# Altium PCB CoinCraftA1.PcbDoc (part 1 of 7) (continued)
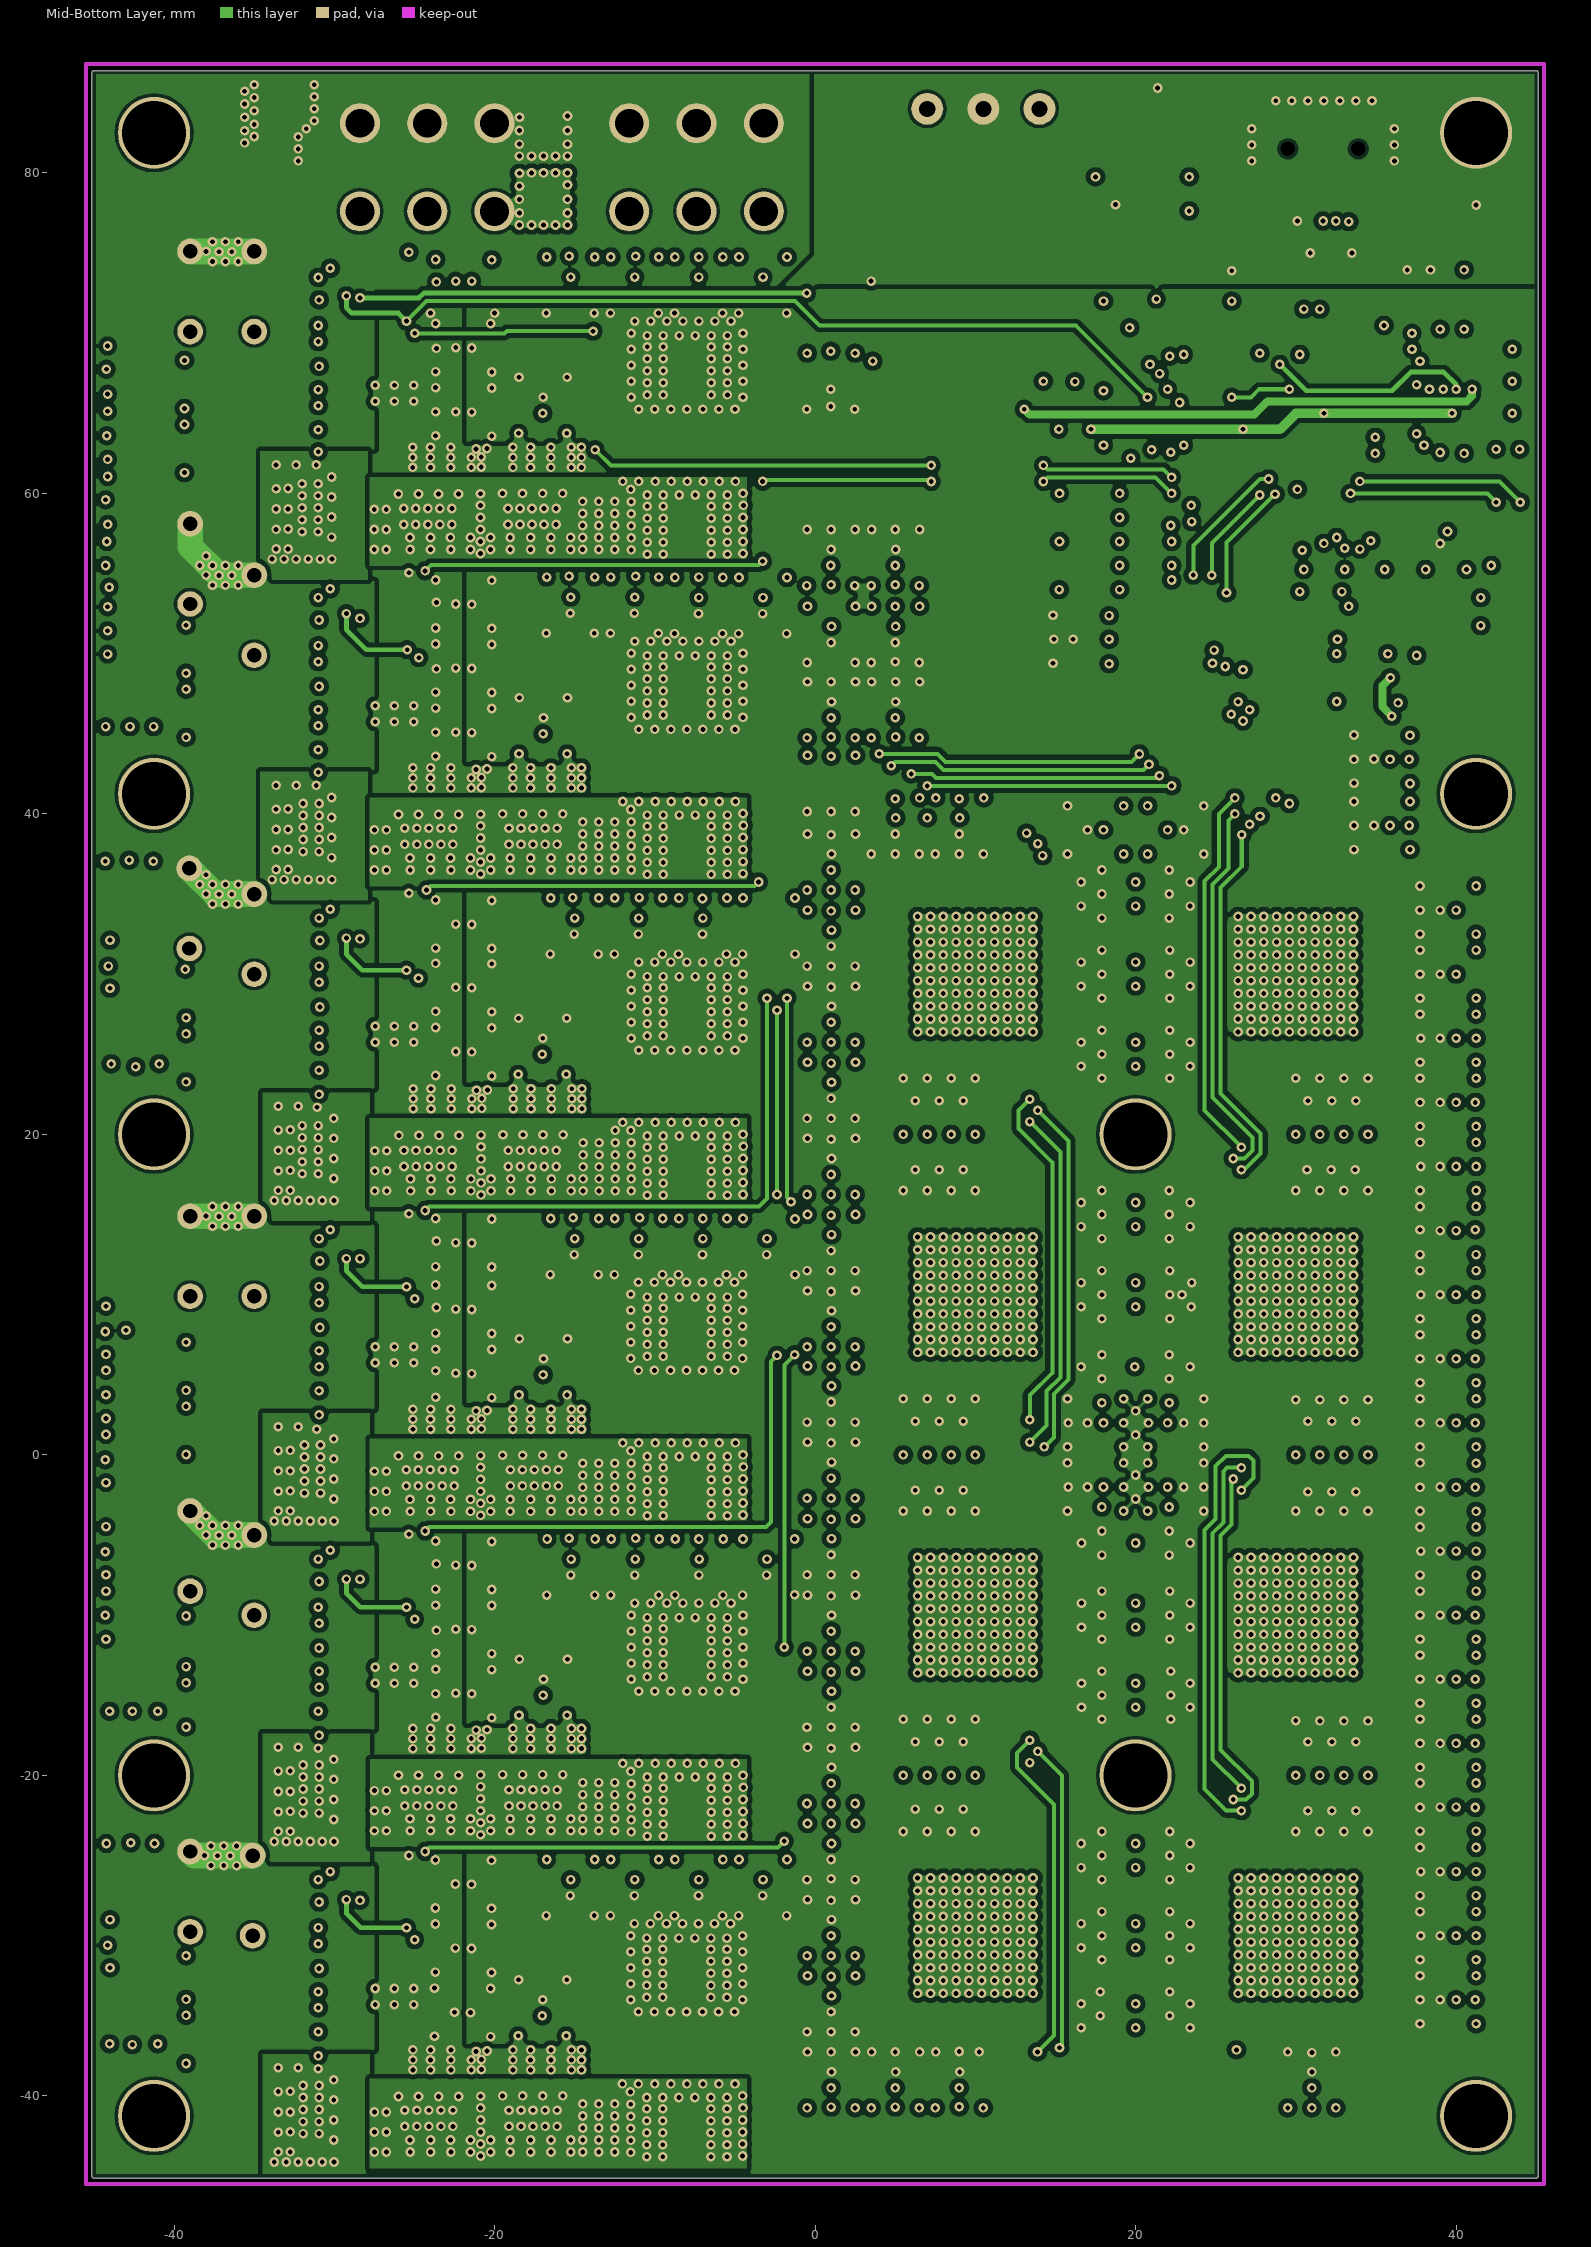
[diagram p3: Mid-Bottom Layer]

## Layer stack, top to bottom
Top Layer: signal copper 0.035
Dielectric: prepreg 0.32, FR-4, Dk 4.8
Mid-Top Layer: signal copper 0.07
Dielectric: core 0.32, FR-4, Dk 4.8
Mid-Bottom Layer: signal copper 0.07
Dielectric: prepreg 0.32, FR-4, Dk 4.8
Bottom Layer: signal copper 0.07

## Board outline
-45.125,-45 ccw(c-45,-45) -45,-45.125 45,-45.125 ccw(c45,-45) 45.125,-45 45.125,86.25 ccw(c45,86.25) 45,86.375 -45,86.375 ccw(c-45,86.25) -45.125,86.25

## Design rules (kind name [scope] priority, off if disabled: settings)
Clearance ClearancePad [(InPadClass('All Pads'))] p1: gap=0.2
Clearance "Clearance Bord Outline" [(OnLayer('Keep-Out Layer'))] p2: gap=0.5
Clearance "Clearance Polygon" [InPolygon] p3: gap=0.3
Clearance "Clearance Component Footprint" [(InComponentClass('All Components'))] p4: gap=0.2
Clearance [All] p5: gap=0.2
ComponentClearance [All] p1: gap=0.25 collisioncheckmode=3 verticalgap=0.25 showdistances=FALSE
DiffPairsRouting [All] p1: maxlimit=0.25 minlimit=0.25 mostfreqgap=0.25 maxuncoupledlength=12.7
HoleToHoleClearance [All] p1: gap=0.15 allowstackedmicrovias=TRUE
MinimumSolderMaskSliver [All] p1: minsoldermaskwidth=0.1
PolygonConnect "PolygonConnect Relief Connect" [(IsNamedPolygon('T 1.2V AVALON')) or (IsNamedPolygon('ZZZT GND MCU HALF'))] p1 off: connectstyle=Relief reliefconductorwidth=0.25 reliefentries=4 polygonreliefangle="90 Angle" airgapwidth=0.254
PolygonConnect [All] p2: connectstyle=Direct reliefconductorwidth=0.254 reliefentries=4 polygonreliefangle="90 Angle" airgapwidth=0.254
RoutingVias [All] p1: holewidth=0.3 width=0.6 viastyle="Through Hole" minholewidth=0.3 minwidth=0.6 maxholewidth=0.5 maxwidth=1.3
SilkToSolderMaskClearance SilkscreenOverComponentPads [IsPad] p1: minsilkscreentomaskgap=0.254 clearancetoexposedcopper=TRUE
SolderMaskExpansion [All] p1: expansion=0.1
Width [All] p1: maxlimit=2 minlimit=0.2 preferedwidth=0.25
23 further rules are at their usual default settings.

## Components (designator, comment, footprint, x,y, rotation, side; value= is the part's Value field where it differs from the comment)
C1 "220uF" SMD_1210_CAPC3225X279N 1,-24.75 r90 top
C1-1MO "(OPT)22uF/6.3V" SMD_0805_CAPC2012X145N 22.5,40 r180 top
C1-1SO "(OPT) 470nF" SMD_0603_CAPC1608X80N 35.376,38.275 r0 top
C1-2MO "(OPT)22uF/6.3V" SMD_0805_CAPC2012X145N 39.5,19 r0 top
C1-2S "470nF" SMD_0603_CAPC1608X80N 30,18.3 r90 top
C1-2SO "(OPT) 470nF" SMD_0603_CAPC1608X80N 39.5,19 r0 top
C1-3MO "(OPT)22uF/6.3V" SMD_0805_CAPC2012X145N 39.5,-1 r0 top
C1-3S "470nF" SMD_0603_CAPC1608X80N 30,-1.7 r90 top
C1-3SO "(OPT) 470nF" SMD_0603_CAPC1608X80N 39.5,-1 r0 top
C1-4MO "(OPT)22uF/6.3V" SMD_0805_CAPC2012X145N 39.5,-20.975 r0 top
C1-4S "470nF" SMD_0603_CAPC1608X80N 30,-21.7 r90 top
C1-4SO "(OPT) 470nF" SMD_0603_CAPC1608X80N 39.5,-20.975 r180 top
C1-5 "10uF/16V" SMD_0805_CAPC2012X145N -42.4,50.45 r180 top
C1-5MO "(OPT)22uF/6.3V" SMD_0805_CAPC2012X145N -0.001,-20 r270 top
C1-5S "470nF" SMD_0603_CAPC1608X80N 5.5,-21.7 r90 top
C1-5SO "(OPT) 470nF" SMD_0603_CAPC1608X80N 0,-20 r270 top
C1-6 "10uF/16V" SMD_0805_CAPC2012X145N -42.4,60.554 r180 top
C1-6MO "(OPT)22uF/6.3V" SMD_0805_CAPC2012X145N 0,-0.95 r270 top
C1-6S "470nF" SMD_0603_CAPC1608X80N 5.5,-1.7 r90 top
C1-6SO "(OPT) 470nF" SMD_0603_CAPC1608X80N 0,-0.95 r270 top
C1-7MO "(OPT)22uF/6.3V" SMD_0805_CAPC2012X145N 0,18 r270 top
C1-7S "470nF" SMD_0603_CAPC1608X80N 5.5,18.3 r90 top
C1-7SO "(OPT) 470nF" SMD_0603_CAPC1608X80N 0,18 r270 top
C1-8MO "(OPT)22uF/6.3V" SMD_0805_CAPC2012X145N 0,41.9 r90 top
C1-8S "470nF" SMD_0603_CAPC1608X80N 18.3,35.75 r0 top
C1-8SO "(OPT) 470nF" SMD_0603_CAPC1608X80N 0,41.9 r90 top
C1_0 "(OPT)22uF/6.3V" SMD_0805_CAPC2012X145N 35.377,44.4 r0 top
C1_1 "10uF/16V" SMD_0805_CAPC2012X145N -28.25,-26 r0 top
C1_1S "470nF" SMD_0603_CAPC1608X80N 30,21.7 r270 top
C1_2 "10uF/16V" SMD_0805_CAPC2012X145N -28.25,-6 r0 top
C1_3 "10uF/16V" SMD_0805_CAPC2012X145N -28.25,14 r0 top
C1_4 "10uF/16V" SMD_0805_CAPC2012X145N -28.25,34 r0 top
C1_5 "10uF/16V" SMD_0805_CAPC2012X145N -28.25,54 r0 top
C1_6 "10uF/16V" SMD_0805_CAPC2012X145N -28.25,74.1 r0 top
C2-1MO "(OPT)22uF/6.3V" SMD_0805_CAPC2012X145N 22.5,38.001 r180 top
C2-1S "470nF" SMD_0603_CAPC1608X80N 31.5,21.7 r270 top
C2-1SO "(OPT) 470nF" SMD_0603_CAPC1608X80N 35.377,40.275 r0 top
C2-2MO "(OPT)22uF/6.3V" SMD_0805_CAPC2012X145N 39.5,17 r0 top
C2-2S "470nF" SMD_0603_CAPC1608X80N 31.5,18.3 r90 top
C2-2SO "(OPT) 470nF" SMD_0603_CAPC1608X80N 39.5,17 r0 top
C2-3MO "(OPT)22uF/6.3V" SMD_0805_CAPC2012X145N 39.5,-3 r0 top
C2-3S "470nF" SMD_0603_CAPC1608X80N 31.5,-1.7 r90 top
C2-3SO "(OPT) 470nF" SMD_0603_CAPC1608X80N 39.5,-3 r0 top
C2-4MO "(OPT)22uF/6.3V" SMD_0805_CAPC2012X145N 39.5,-22.975 r0 top
C2-4S "470nF" SMD_0603_CAPC1608X80N 31.5,-21.7 r90 top
C2-4SO "(OPT) 470nF" SMD_0603_CAPC1608X80N 39.5,-22.975 r180 top
C2-5 "10uF/16V" SMD_0805_CAPC2012X145N -32.8,53 r0 top
C2-5MO "(OPT)22uF/6.3V" SMD_0805_CAPC2012X145N 1.999,-20 r270 top
C2-5S "470nF" SMD_0603_CAPC1608X80N 7,-21.7 r90 top
C2-5SO "(OPT) 470nF" SMD_0603_CAPC1608X80N 1.999,-20 r270 top
C2-6 "10uF/16V" SMD_0805_CAPC2012X145N -42.4,58.554 r180 top
C2-6MO "(OPT)22uF/6.3V" SMD_0805_CAPC2012X145N 2,-0.95 r270 top
C2-6S "470nF" SMD_0603_CAPC1608X80N 6.999,-1.7 r90 top
C2-6SO "(OPT) 470nF" SMD_0603_CAPC1608X80N 2,-1 r270 top
C2-7MO "(OPT)22uF/6.3V" SMD_0805_CAPC2012X145N 2,18 r270 top
C2-7S "470nF" SMD_0603_CAPC1608X80N 7,18.3 r90 top
C2-7SO "(OPT) 470nF" SMD_0603_CAPC1608X80N 1.9,18.025 r270 top
C2-8MO "(OPT)22uF/6.3V" SMD_0805_CAPC2012X145N 2,41.9 r90 top
C2-8S "470nF" SMD_0603_CAPC1608X80N 18.3,34.25 r0 top
C2-8SO "(OPT) 470nF" SMD_0603_CAPC1608X80N 2,41.9 r90 top
C2_0 "(OPT)22uF/6.3V" SMD_0805_CAPC2012X145N 35.377,42.4 r0 top
C2_1 "1uF/16V" SMD_0805_CAPC2012X145N -25.362,-27 r90 top
C2_2 "1uF/16V" SMD_0805_CAPC2012X145N -25.362,-7 r90 top
C2_3 "1uF/16V" SMD_0805_CAPC2012X145N -25.362,13 r90 top
C2_4 "1uF/16V" SMD_0805_CAPC2012X145N -25.362,33 r90 top
C2_5 "1uF/16V" SMD_0805_CAPC2012X145N -25.362,53 r90 top
C2_6 "1uF/16V" SMD_0805_CAPC2012X145N -25.362,73 r90 top
C3-1MO "(OPT)22uF/6.3V" SMD_0805_CAPC2012X145N 35.376,38.275 r0 top
C3-1S "470nF" SMD_0603_CAPC1608X80N 33,21.7 r270 top
C3-1SO "(OPT) 470nF" SMD_0603_CAPC1608X80N 39.5,35 r0 top
C3-2MO "(OPT)22uF/6.3V" SMD_0805_CAPC2012X145N 39.5,15 r0 top
C3-2S "470nF" SMD_0603_CAPC1608X80N 33,18.3 r90 top
C3-2SO "(OPT) 470nF" SMD_0603_CAPC1608X80N 39.5,15 r0 top
C3-3MO "(OPT)22uF/6.3V" SMD_0805_CAPC2012X145N 39.5,-5 r0 top
C3-3S "470nF" SMD_0603_CAPC1608X80N 33,-1.7 r90 top
C3-3SO "(OPT) 470nF" SMD_0603_CAPC1608X80N 39.5,-5 r0 top
C3-4MO "(OPT)22uF/6.3V" SMD_0805_CAPC2012X145N 39.5,-25 r0 top
C3-4S "470nF" SMD_0603_CAPC1608X80N 33,-21.7 r90 top
C3-4SO "(OPT) 470nF" SMD_0603_CAPC1608X80N 39.5,-25 r0 top
C3-5 "10uF/16V" SMD_0805_CAPC2012X145N -42.45,56.5 r180 top
C3-5MO "(OPT)22uF/6.3V" SMD_0805_CAPC2012X145N -0.001,-24.75 r90 top
C3-5S "470nF" SMD_0603_CAPC1608X80N 8.5,-21.7 r90 top
C3-5SO "(OPT) 470nF" SMD_0603_CAPC1608X80N -0.001,-24.75 r90 top
C3-6 "10uF/16V" SMD_0805_CAPC2012X145N -32.75,65 r0 top
C3-6MO "(OPT)22uF/6.3V" SMD_0805_CAPC2012X145N 0,-5.725 r90 top
C3-6S "470nF" SMD_0603_CAPC1608X80N 8.5,-1.7 r90 top
C3-6SO "(OPT) 470nF" SMD_0603_CAPC1608X80N 0,-5.725 r90 top
C3-7MO "(OPT)22uF/6.3V" SMD_0805_CAPC2012X145N 0,13.25 r90 top
C3-7S "470nF" SMD_0603_CAPC1608X80N 8.5,18.3 r90 top
C3-7SO "(OPT) 470nF" SMD_0603_CAPC1608X80N 0,13.25 r90 top
C3-8MO "(OPT)22uF/6.3V" SMD_0805_CAPC2012X145N 4,39.25 r90 top
C3-8S "470nF" SMD_0603_CAPC1608X80N 18.3,30.75 r0 top
C3-8SO "(OPT) 470nF" SMD_0603_CAPC1608X80N 4,39.25 r90 top
C3_0 "(OPT)22uF/6.3V" SMD_0805_CAPC2012X145N -0.025,67 r90 top
C3_1 "100nF/50V" SMD_0805_CAPC2012X145N -29.25,-34 r270 top
C3_2 "100nF/50V" SMD_0805_CAPC2012X145N -29.25,-14 r270 top
C3_3 "100nF/50V" SMD_0805_CAPC2012X145N -29.25,6 r270 top
C3_4 "100nF/50V" SMD_0805_CAPC2012X145N -29.25,26 r270 top
C3_5 "100nF/50V" SMD_0805_CAPC2012X145N -29.382,46.025 r270 top
C3_6 "100nF/50V" SMD_0805_CAPC2012X145N -29.382,66.025 r270 top
C4-1MO "(OPT)22uF/6.3V" SMD_0805_CAPC2012X145N 35.376,40.275 r0 top
C4-1S "470nF" SMD_0603_CAPC1608X80N 34.5,21.7 r270 top
C4-1SO "(OPT) 470nF" SMD_0603_CAPC1608X80N 39.5,33 r0 top
C4-2MO "(OPT)22uF/6.3V" SMD_0805_CAPC2012X145N 39.5,13 r0 top
C4-2S "470nF" SMD_0603_CAPC1608X80N 34.5,18.3 r90 top
C4-2SO "(OPT) 470nF" SMD_0603_CAPC1608X80N 39.5,13 r0 top
C4-3MO "(OPT)22uF/6.3V" SMD_0805_CAPC2012X145N 39.5,-7 r0 top
C4-3S "470nF" SMD_0603_CAPC1608X80N 34.5,-1.7 r90 top
C4-3SO "(OPT) 470nF" SMD_0603_CAPC1608X80N 39.5,-7 r0 top
C4-4MO "(OPT)22uF/6.3V" SMD_0805_CAPC2012X145N 39.5,-27 r0 top
C4-4S "470nF" SMD_0603_CAPC1608X80N 34.5,-21.7 r90 top
C4-4SO "(OPT) 470nF" SMD_0603_CAPC1608X80N 39.5,-27 r0 top
C4-5 "10uF/16V" SMD_0805_CAPC2012X145N -42.4,52.5 r180 top
C4-5MO "(OPT)22uF/6.3V" SMD_0805_CAPC2012X145N 2,-24.75 r90 top
C4-5S "470nF" SMD_0603_CAPC1608X80N 10,-21.7 r90 top
C4-5SO "(OPT) 470nF" SMD_0603_CAPC1608X80N 2,-24.75 r90 top
C4-6 "10uF/16V" SMD_0805_CAPC2012X145N -37.6,67.8 r180 top
C4-6MO "(OPT)22uF/6.3V" SMD_0805_CAPC2012X145N 2,-5.725 r90 top
C4-6S "470nF" SMD_0603_CAPC1608X80N 10,-1.7 r90 top
C4-6SO "(OPT) 470nF" SMD_0603_CAPC1608X80N 2,-5.725 r90 top
C4-7MO "(OPT)22uF/6.3V" SMD_0805_CAPC2012X145N 2,13.25 r90 top
C4-7S "470nF" SMD_0603_CAPC1608X80N 10,18.3 r90 top
C4-7SO "(OPT) 470nF" SMD_0603_CAPC1608X80N 2,13.25 r90 top
C4-8MO "(OPT)22uF/6.3V" SMD_0805_CAPC2012X145N 6,39.25 r90 top
C4-8S "470nF" SMD_0603_CAPC1608X80N 18.3,29.25 r0 top
C4-8SO "(OPT) 470nF" SMD_0603_CAPC1608X80N 6,39.25 r90 top
C4_0 "(OPT)22uF/6.3V" SMD_0805_CAPC2012X145N 1.975,67 r90 top
C5-1MO "(OPT)22uF/6.3V" SMD_0805_CAPC2012X145N 39.5,35 r0 top
C5-1S "470nF" SMD_0603_CAPC1608X80N 21.7,35.75 r180 top
C5-1SO "(OPT) 470nF" SMD_0603_CAPC1608X80N 39.5,31 r0 top
C5-2MO "(OPT)22uF/6.3V" SMD_0805_CAPC2012X145N 39.5,11 r0 top
C5-2S "470nF" SMD_0603_CAPC1608X80N 21.7,15.75 r180 top
C5-2SO "(OPT) 470nF" SMD_0603_CAPC1608X80N 39.5,11 r180 top
C5-3MO "(OPT)22uF/6.3V" SMD_0805_CAPC2012X145N 39.5,-9 r0 top
C5-3S "470nF" SMD_0603_CAPC1608X80N 21.7,-5.5 r180 top
C5-3SO "(OPT) 470nF" SMD_0603_CAPC1608X80N 39.5,-9 r0 top
C5-4MO "(OPT)22uF/6.3V" SMD_0805_CAPC2012X145N 39.5,-29 r0 top
C5-4S "470nF" SMD_0603_CAPC1608X80N 21.7,-24.25 r180 top
C5-4SO "(OPT) 470nF" SMD_0603_CAPC1608X80N 39.5,-29 r0 top
C5-5 "10uF/16V" SMD_0805_CAPC2012X145N -37.5,49.25 r180 top
C5-5MO "(OPT)22uF/6.3V" SMD_0805_CAPC2012X145N 0,-29.5 r270 top
C5-5S "470nF" SMD_0603_CAPC1608X80N 18.3,-24.25 r0 top
C5-5SO "(OPT) 470nF" SMD_0603_CAPC1608X80N 0,-29.5 r270 top
C5-6 "10uF/16V" SMD_0805_CAPC2012X145N -42.415,66.725 r180 top
C5-6MO "(OPT)22uF/6.3V" SMD_0805_CAPC2012X145N 0,-10.5 r270 top
C5-6S "470nF" SMD_0603_CAPC1608X80N 18.325,-5.5 r0 top
C5-6SO "(OPT) 470nF" SMD_0603_CAPC1608X80N 0,-10.5 r270 top
C5-7MO "(OPT)22uF/6.3V" SMD_0805_CAPC2012X145N 0,8.5 r270 top
C5-7S "470nF" SMD_0603_CAPC1608X80N 18.3,15.75 r0 top
C5-7SO "(OPT) 470nF" SMD_0603_CAPC1608X80N 0,8.5 r270 top
C5-8MO "(OPT)22uF/6.3V" SMD_0805_CAPC2012X145N 8.001,39.25 r90 top
C5-8S "470nF" SMD_0603_CAPC1608X80N 18.3,25.75 r0 top
C5-8SO "(OPT) 470nF" SMD_0603_CAPC1608X80N 8.001,39.25 r90 top
C5_0 "(OPT)22uF/6.3V" SMD_0805_CAPC2012X145N 16.6,51.9 r0 top
C6-1MO "(OPT)22uF/6.3V" SMD_0805_CAPC2012X145N 39.5,33 r0 top
C6-1S "470nF" SMD_0603_CAPC1608X80N 21.7,34.25 r180 top
C6-1SO "(OPT) 470nF" SMD_0603_CAPC1608X80N 39.5,29 r0 top
C6-2MO "(OPT)22uF/6.3V" SMD_0805_CAPC2012X145N 39.5,9 r0 top
C6-2S "470nF" SMD_0603_CAPC1608X80N 21.7,14.25 r180 top
C6-2SO "(OPT) 470nF" SMD_0603_CAPC1608X80N 39.5,9 r180 top
C6-3MO "(OPT)22uF/6.3V" SMD_0805_CAPC2012X145N 39.5,-11 r0 top
C6-3S "470nF" SMD_0603_CAPC1608X80N 21.7,-9.25 r180 top
C6-3SO "(OPT) 470nF" SMD_0603_CAPC1608X80N 39.5,-11 r0 top
C6-4MO "(OPT)22uF/6.3V" SMD_0805_CAPC2012X145N 39.5,-31 r0 top
C6-4S "470nF" SMD_0603_CAPC1608X80N 21.7,-25.75 r180 top
C6-4SO "(OPT) 470nF" SMD_0603_CAPC1608X80N 39.5,-31 r0 top
C6-5 "10uF/16V" SMD_0805_CAPC2012X145N -32.75,50.975 r0 top
C6-5MO "(OPT)22uF/6.3V" SMD_0805_CAPC2012X145N 2,-29.5 r270 top
C6-5S "470nF" SMD_0603_CAPC1608X80N 18.3,-25.75 r0 top
C6-5SO "(OPT) 470nF" SMD_0603_CAPC1608X80N 2,-29.5 r270 top
C6-6 "10uF/16V" SMD_0805_CAPC2012X145N -32.75,67 r0 top
C6-6MO "(OPT)22uF/6.3V" SMD_0805_CAPC2012X145N 2,-10.5 r270 top
C6-6S "470nF" SMD_0603_CAPC1608X80N 18.325,-9.25 r0 top
C6-6SO "(OPT) 470nF" SMD_0603_CAPC1608X80N 2,-10.5 r270 top
C6-7MO "(OPT)22uF/6.3V" SMD_0805_CAPC2012X145N 2,8.5 r270 top
C6-7S "470nF" SMD_0603_CAPC1608X80N 18.3,14.25 r0 top
C6-7SO "(OPT) 470nF" SMD_0603_CAPC1608X80N 2,8.5 r270 top
C6-8MO "(OPT)22uF/6.3V" SMD_0805_CAPC2012X145N 10.001,39.25 r90 top
C6-8S "470nF" SMD_0603_CAPC1608X80N 18.3,24.25 r0 top
C6-8SO "(OPT) 470nF" SMD_0603_CAPC1608X80N 10.001,39.25 r90 top
C6_0 "(OPT)22uF/6.3V" SMD_0805_CAPC2012X145N 16.6,49.9 r0 top
C7-1MO "(OPT)22uF/6.3V" SMD_0805_CAPC2012X145N 39.5,31 r0 top
C7-1S "470nF" SMD_0603_CAPC1608X80N 21.7,30.75 r180 top
C7-1SO "(OPT) 470nF" SMD_0603_CAPC1608X80N 39.5,27 r0 top
C7-2MO "(OPT)22uF/6.3V" SMD_0805_CAPC2012X145N 39.5,7 r0 top
C7-2S "470nF" SMD_0603_CAPC1608X80N 21.7,10.75 r180 top
C7-2SO "(OPT) 470nF" SMD_0603_CAPC1608X80N 39.5,6.998 r180 top
C7-3MO "(OPT)22uF/6.3V" SMD_0805_CAPC2012X145N 39.5,-13 r0 top
C7-3S "470nF" SMD_0603_CAPC1608X80N 21.7,-10.75 r180 top
C7-3SO "(OPT) 470nF" SMD_0603_CAPC1608X80N 39.5,-13 r0 top
C7-4MO "(OPT)22uF/6.3V" SMD_0805_CAPC2012X145N 39.5,-33 r0 top
C7-4S "470nF" SMD_0603_CAPC1608X80N 21.7,-29.25 r180 top
C7-4SO "(OPT) 470nF" SMD_0603_CAPC1608X80N 39.5,-33 r0 top
C7-5 "10uF/16V" SMD_0805_CAPC2012X145N -32.75,47 r0 top
C7-5MO "(OPT)22uF/6.3V" SMD_0805_CAPC2012X145N 0,-34.25 r90 top
C7-5S "470nF" SMD_0603_CAPC1608X80N 18.3,-29.25 r0 top
C7-5SO "(OPT) 470nF" SMD_0603_CAPC1608X80N 0,-34.25 r90 top
C7-6 "10uF/16V" SMD_0805_CAPC2012X145N -42.4,62.6 r180 top
C7-6MO "(OPT)22uF/6.3V" SMD_0805_CAPC2012X145N -0.001,-15.25 r90 top
C7-6S "470nF" SMD_0603_CAPC1608X80N 18.325,-10.75 r0 top
C7-6SO "(OPT) 470nF" SMD_0603_CAPC1608X80N -0.001,-15.25 r90 top
C7-7MO "(OPT)22uF/6.3V" SMD_0805_CAPC2012X145N 0,3.8 r90 top
C7-7S "470nF" SMD_0603_CAPC1608X80N 18.3,10.75 r0 top
C7-7SO "(OPT) 470nF" SMD_0603_CAPC1608X80N 0,3.8 r90 top
C7-8MO "(OPT)22uF/6.3V" SMD_0805_CAPC2012X145N 17.5,40 r0 top
C7-8S "470nF" SMD_0603_CAPC1608X80N 5.5,21.7 r270 top
C7-8SO "(OPT) 470nF" SMD_0603_CAPC1608X80N 0,37 r270 top
C7_0 "(OPT)22uF/6.3V" SMD_0805_CAPC2012X145N 0,56 r270 top
C8-1MO "(OPT)22uF/6.3V" SMD_0805_CAPC2012X145N 39.5,29 r0 top
C8-1S "470nF" SMD_0603_CAPC1608X80N 21.7,29.25 r180 top
C8-1SO "(OPT) 470nF" SMD_0603_CAPC1608X80N 39.5,25 r0 top
C8-2MO "(OPT)22uF/6.3V" SMD_0805_CAPC2012X145N 39.5,5 r0 top
C8-2S "470nF" SMD_0603_CAPC1608X80N 21.7,9.25 r180 top
C8-2SO "(OPT) 470nF" SMD_0603_CAPC1608X80N 39.5,5 r180 top
C8-3MO "(OPT)22uF/6.3V" SMD_0805_CAPC2012X145N 39.5,-15 r0 top
C8-3S "470nF" SMD_0603_CAPC1608X80N 21.7,-14.25 r180 top
C8-3SO "(OPT) 470nF" SMD_0603_CAPC1608X80N 39.5,-15 r0 top
C8-4MO "(OPT)22uF/6.3V" SMD_0805_CAPC2012X145N 39.5,-35 r0 top
C8-4S "470nF" SMD_0603_CAPC1608X80N 21.7,-30.75 r180 top
C8-4SO "(OPT) 470nF" SMD_0603_CAPC1608X80N 39.5,-35 r0 top
C8-5 "10uF/16V" SMD_0805_CAPC2012X145N -43.733,47.2 r270 top
C8-5MO "(OPT)22uF/6.3V" SMD_0805_CAPC2012X145N 2,-34.25 r90 top
C8-5S "470nF" SMD_0603_CAPC1608X80N 18.3,-30.75 r0 top
C8-5SO "(OPT) 470nF" SMD_0603_CAPC1608X80N 2,-34.25 r90 top
C8-6 "10uF/16V" SMD_0805_CAPC2012X145N -42.4,64.6 r180 top
C8-6MO "(OPT)22uF/6.3V" SMD_0805_CAPC2012X145N 1.999,-15.25 r90 top
C8-6S "470nF" SMD_0603_CAPC1608X80N 18.325,-14.25 r0 top
C8-6SO "(OPT) 470nF" SMD_0603_CAPC1608X80N 1.999,-15.25 r90 top
C8-7MO "(OPT)22uF/6.3V" SMD_0805_CAPC2012X145N 2,3.8 r90 top
C8-7S "470nF" SMD_0603_CAPC1608X80N 18.3,9.25 r0 top
C8-7SO "(OPT) 470nF" SMD_0603_CAPC1608X80N 2,3.8 r90 top
C8-8MO "(OPT)22uF/6.3V" SMD_0805_CAPC2012X145N 17.5,38 r0 top
C8-8S "470nF" SMD_0603_CAPC1608X80N 7,21.7 r270 top
C8-8SO "(OPT) 470nF" SMD_0603_CAPC1608X80N 2,37 r270 top
C8_0 "(OPT)22uF/6.3V" SMD_0805_CAPC2012X145N 2,56 r270 top
C9-1MO "(OPT)22uF/6.3V" SMD_0805_CAPC2012X145N 39.5,27 r0 top
C9-1S "470nF" SMD_0603_CAPC1608X80N 21.7,25.75 r180 top
C9-1SO "(OPT) 470nF" SMD_0603_CAPC1608X80N 39.5,22.997 r0 top
C9-2MO "(OPT)22uF/6.3V" SMD_0805_CAPC2012X145N 39.5,3 r0 top
C9-2S "470nF" SMD_0603_CAPC1608X80N 21.7,5.5 r180 top
C9-2SO "(OPT) 470nF" SMD_0603_CAPC1608X80N 39.5,3 r180 top
C9-3MO "(OPT)22uF/6.3V" SMD_0805_CAPC2012X145N 39.5,-17 r0 top
C9-3S "470nF" SMD_0603_CAPC1608X80N 21.7,-15.75 r180 top
C9-3SO "(OPT) 470nF" SMD_0603_CAPC1608X80N 39.5,-17 r180 top
C9-4MO "(OPT)22uF/6.3V" SMD_0805_CAPC2012X145N 30,-39 r270 top
C9-4S "470nF" SMD_0603_CAPC1608X80N 21.7,-34.25 r180 top
C9-4SO "(OPT) 470nF" SMD_0603_CAPC1608X80N 30,-39 r270 top
C9-5 "10uF/16V" SMD_0805_CAPC2012X145N -42.45,54.5 r180 top
C9-5MO "(OPT)22uF/6.3V" SMD_0805_CAPC2012X145N 0,-39 r270 top
C9-5S "470nF" SMD_0603_CAPC1608X80N 18.3,-34.25 r0 top
C9-5SO "(OPT) 470nF" SMD_0603_CAPC1608X80N 0,-39 r270 top
C9-6 "10uF/16V" SMD_0805_CAPC2012X145N -37.6,61.8 r180 top
C9-6MO "(OPT)22uF/6.3V" SMD_0805_CAPC2012X145N 17.5,-1 r0 top
C9-6S "470nF" SMD_0603_CAPC1608X80N 18.325,-15.75 r0 top
C9-6SO "(OPT) 470nF" SMD_0603_CAPC1608X80N 17.5,-1 r0 top
C9-7MO "(OPT)22uF/6.3V" SMD_0805_CAPC2012X145N 17.5,3 r0 top
C9-7S "470nF" SMD_0603_CAPC1608X80N 18.3,5.5 r0 top
C9-7SO "(OPT) 470nF" SMD_0603_CAPC1608X80N 17.5,3 r180 top
C9-8MO "(OPT)22uF/6.3V" SMD_0805_CAPC2012X145N 0,37 r270 top
C9-8S "470nF" SMD_0603_CAPC1608X80N 8.5,21.7 r270 top
C9-8SO "(OPT) 470nF" SMD_0603_CAPC1608X80N 0,32.25 r90 top
C9_0 "(OPT)22uF/6.3V" SMD_0805_CAPC2012X145N 4,56 r270 top
C10-1MO "(OPT)22uF/6.3V" SMD_0805_CAPC2012X145N 39.5,25 r0 top
C10-1S "470nF" SMD_0603_CAPC1608X80N 21.7,24.25 r180 top
C10-1SO "(OPT) 470nF" SMD_0603_CAPC1608X80N 39.5,21 r0 top
C10-2MO "(OPT)22uF/6.3V" SMD_0805_CAPC2012X145N 39.5,1 r0 top
C10-2S "470nF" SMD_0603_CAPC1608X80N 30,1.7 r270 top
C10-2SO "(OPT) 470nF" SMD_0603_CAPC1608X80N 39.5,1 r180 top
C10-3MO "(OPT)22uF/6.3V" SMD_0805_CAPC2012X145N 39.5,-19 r0 top
C10-3S "470nF" SMD_0603_CAPC1608X80N 30,-18.3 r270 top
C10-3SO "(OPT) 470nF" SMD_0603_CAPC1608X80N 39.5,-19 r180 top
C10-4MO "(OPT)22uF/6.3V" SMD_0805_CAPC2012X145N 32,-39 r270 top
C10-4S "470nF" SMD_0603_CAPC1608X80N 21.7,-35.75 r180 top
C10-4SO "(OPT) 470nF" SMD_0603_CAPC1608X80N 32,-39 r270 top
C10-5 "10uF/16V" SMD_0805_CAPC2012X145N -41.733,47.2 r270 top
C10-5MO "(OPT)22uF/6.3V" SMD_0805_CAPC2012X145N 2,-39 r270 top
C10-5S "470nF" SMD_0603_CAPC1608X80N 18.3,-35.75 r0 top
C10-5SO "(OPT) 470nF" SMD_0603_CAPC1608X80N 2,-39 r270 top
C10-6 "10uF/16V" SMD_0805_CAPC2012X145N -32.75,69 r0 top
C10-6MO "(OPT)22uF/6.3V" SMD_0805_CAPC2012X145N 17.5,-3 r0 top
C10-6S "470nF" SMD_0603_CAPC1608X80N 5.5,-18.3 r270 top
C10-6SO "(OPT) 470nF" SMD_0603_CAPC1608X80N 17.5,-3 r0 top
C10-7MO "(OPT)22uF/6.3V" SMD_0805_CAPC2012X145N 17.5,1 r0 top
C10-7S "470nF" SMD_0603_CAPC1608X80N 5.5,1.7 r270 top
C10-7SO "(OPT) 470nF" SMD_0603_CAPC1608X80N 17.5,1 r0 top
C10-8MO "(OPT)22uF/6.3V" SMD_0805_CAPC2012X145N 2,37 r270 top
C10-8S "470nF" SMD_0603_CAPC1608X80N 10,21.7 r270 top
C10-8SO "(OPT) 470nF" SMD_0603_CAPC1608X80N 2,32.25 r90 top
C10_0 "(OPT)22uF/6.3V" SMD_0805_CAPC2012X145N 6,56 r270 top
C11-1MO "(OPT)22uF/6.3V" SMD_0805_CAPC2012X145N 39.5,23 r0 top
C11-1SO "(OPT) 470nF" SMD_0603_CAPC1608X80N 22.5,40 r0 top
C11-2MO "(OPT)22uF/6.3V" SMD_0805_CAPC2012X145N 22.5,3 r180 top
C11-2S "470nF" SMD_0603_CAPC1608X80N 31.5,1.7 r270 top
C11-2SO "(OPT) 470nF" SMD_0603_CAPC1608X80N 22.5,3 r180 top
C11-3MO "(OPT)22uF/6.3V" SMD_0805_CAPC2012X145N 22.5,-1 r180 top
C11-3S "470nF" SMD_0603_CAPC1608X80N 31.5,-18.3 r270 top
C11-3SO "(OPT) 470nF" SMD_0603_CAPC1608X80N 22.5,-1 r180 top
C11-5 "10uF/16V" SMD_0805_CAPC2012X145N -32.75,43 r0 top
C11-5MO "(OPT)22uF/6.3V" SMD_0805_CAPC2012X145N 4,-39 r270 top
C11-5SO "(OPT) 470nF" SMD_0603_CAPC1608X80N 4,-39 r270 top
C11-6 "10uF/16V" SMD_0805_CAPC2012X145N -37.6,63.8 r180 top
C11-6S "470nF" SMD_0603_CAPC1608X80N 7,-18.3 r270 top
C11-7S "470nF" SMD_0603_CAPC1608X80N 7,1.7 r270 top
C11-8MO "(OPT)22uF/6.3V" SMD_0805_CAPC2012X145N 0,32.25 r90 top
C11-8SO "(OPT) 470nF" SMD_0603_CAPC1608X80N 0,27.5 r270 top
C11_0 "(OPT)22uF/6.3V" SMD_0805_CAPC2012X145N 0,51.2 r90 top
C11_1 "22uF/6.3V" SMD_0805_CAPC2012X145N -12.25,-27 r90 top
C11_2 "22uF/6.3V" SMD_0805_CAPC2012X145N -16.251,-7 r90 top
C11_3 "22uF/6.3V" SMD_0805_CAPC2012X145N -16,13 r90 top
C11_4 "22uF/6.3V" SMD_0805_CAPC2012X145N -16.026,32.975 r90 top
C12-1MO "(OPT)22uF/6.3V" SMD_0805_CAPC2012X145N 39.5,21 r0 top
C12-1SO "(OPT) 470nF" SMD_0603_CAPC1608X80N 22.5,38.001 r180 top
C12-2MO "(OPT)22uF/6.3V" SMD_0805_CAPC2012X145N 22.5,1 r180 top
C12-2S "470nF" SMD_0603_CAPC1608X80N 33,1.7 r270 top
C12-2SO "(OPT) 470nF" SMD_0603_CAPC1608X80N 22.5,1 r180 top
C12-3MO "(OPT)22uF/6.3V" SMD_0805_CAPC2012X145N 22.5,-3 r180 top
C12-3S "470nF" SMD_0603_CAPC1608X80N 33,-18.3 r270 top
C12-3SO "(OPT) 470nF" SMD_0603_CAPC1608X80N 22.5,-3 r0 top
C12-5 "10uF/16V" SMD_0805_CAPC2012X145N -37.5,45.25 r180 top
C12-5MO "(OPT)22uF/6.3V" SMD_0805_CAPC2012X145N 6,-39 r270 top
C12-5SO "(OPT) 470nF" SMD_0603_CAPC1608X80N 6,-39 r270 top
C12-6 "10uF/16V" SMD_0805_CAPC2012X145N -32.75,71 r0 top
C12-6S "470nF" SMD_0603_CAPC1608X80N 8.5,-18.3 r270 top
C12-7S "470nF" SMD_0603_CAPC1608X80N 8.5,1.7 r270 top
C12-8MO "(OPT)22uF/6.3V" SMD_0805_CAPC2012X145N 2,32.25 r90 top